# Altium PCB H204_without WiFi.PcbDoc (part 1 of 3)
Units mm, origin at the board's own origin, x right, y up, seen from the top; angles counter-clockwise.
Board outline 25 x 64 mm, 4 copper layers (Top Layer, Signal Layer 1, Signal Layer 2, Bottom Layer), stack 1.594 mm thick; 221 components, 142 nets, 826 pads, 353 vias.
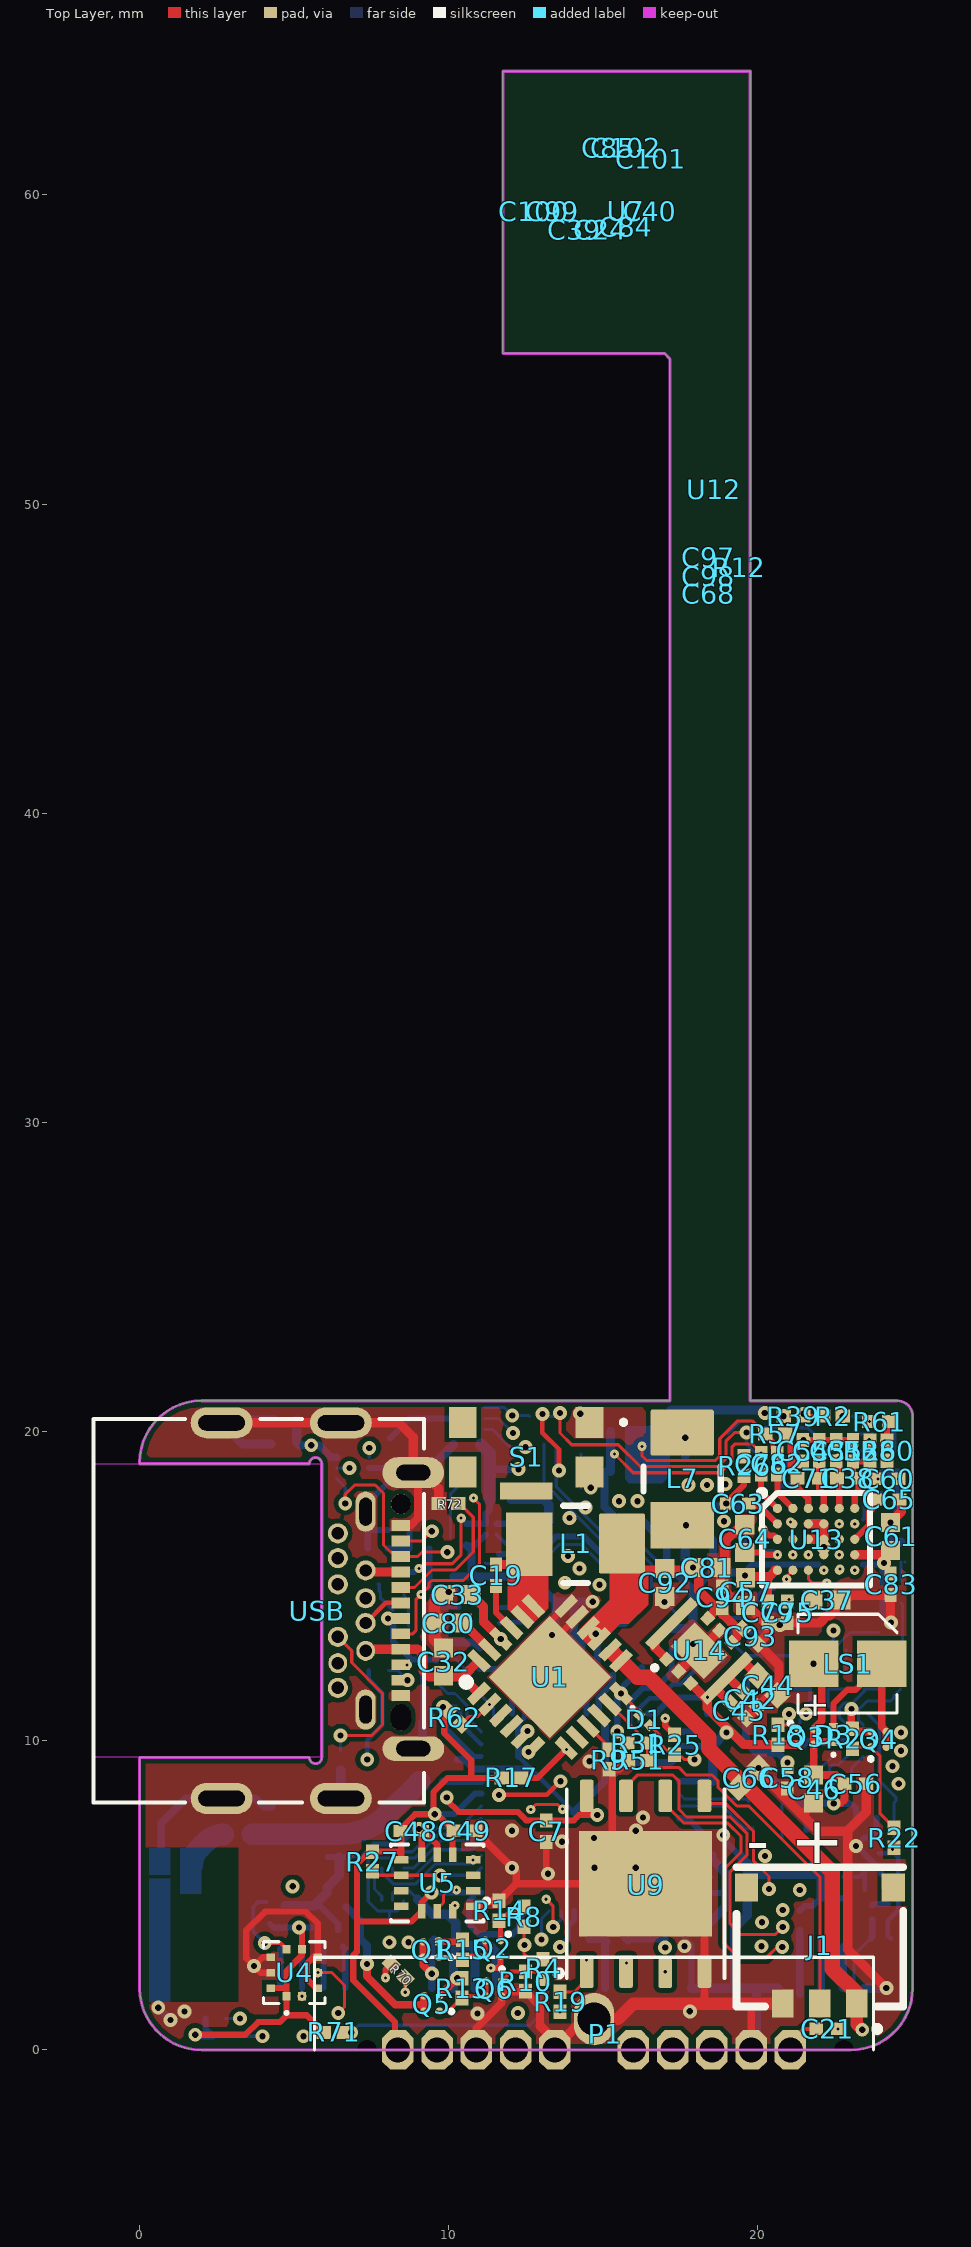
[diagram p0: Top Layer view]
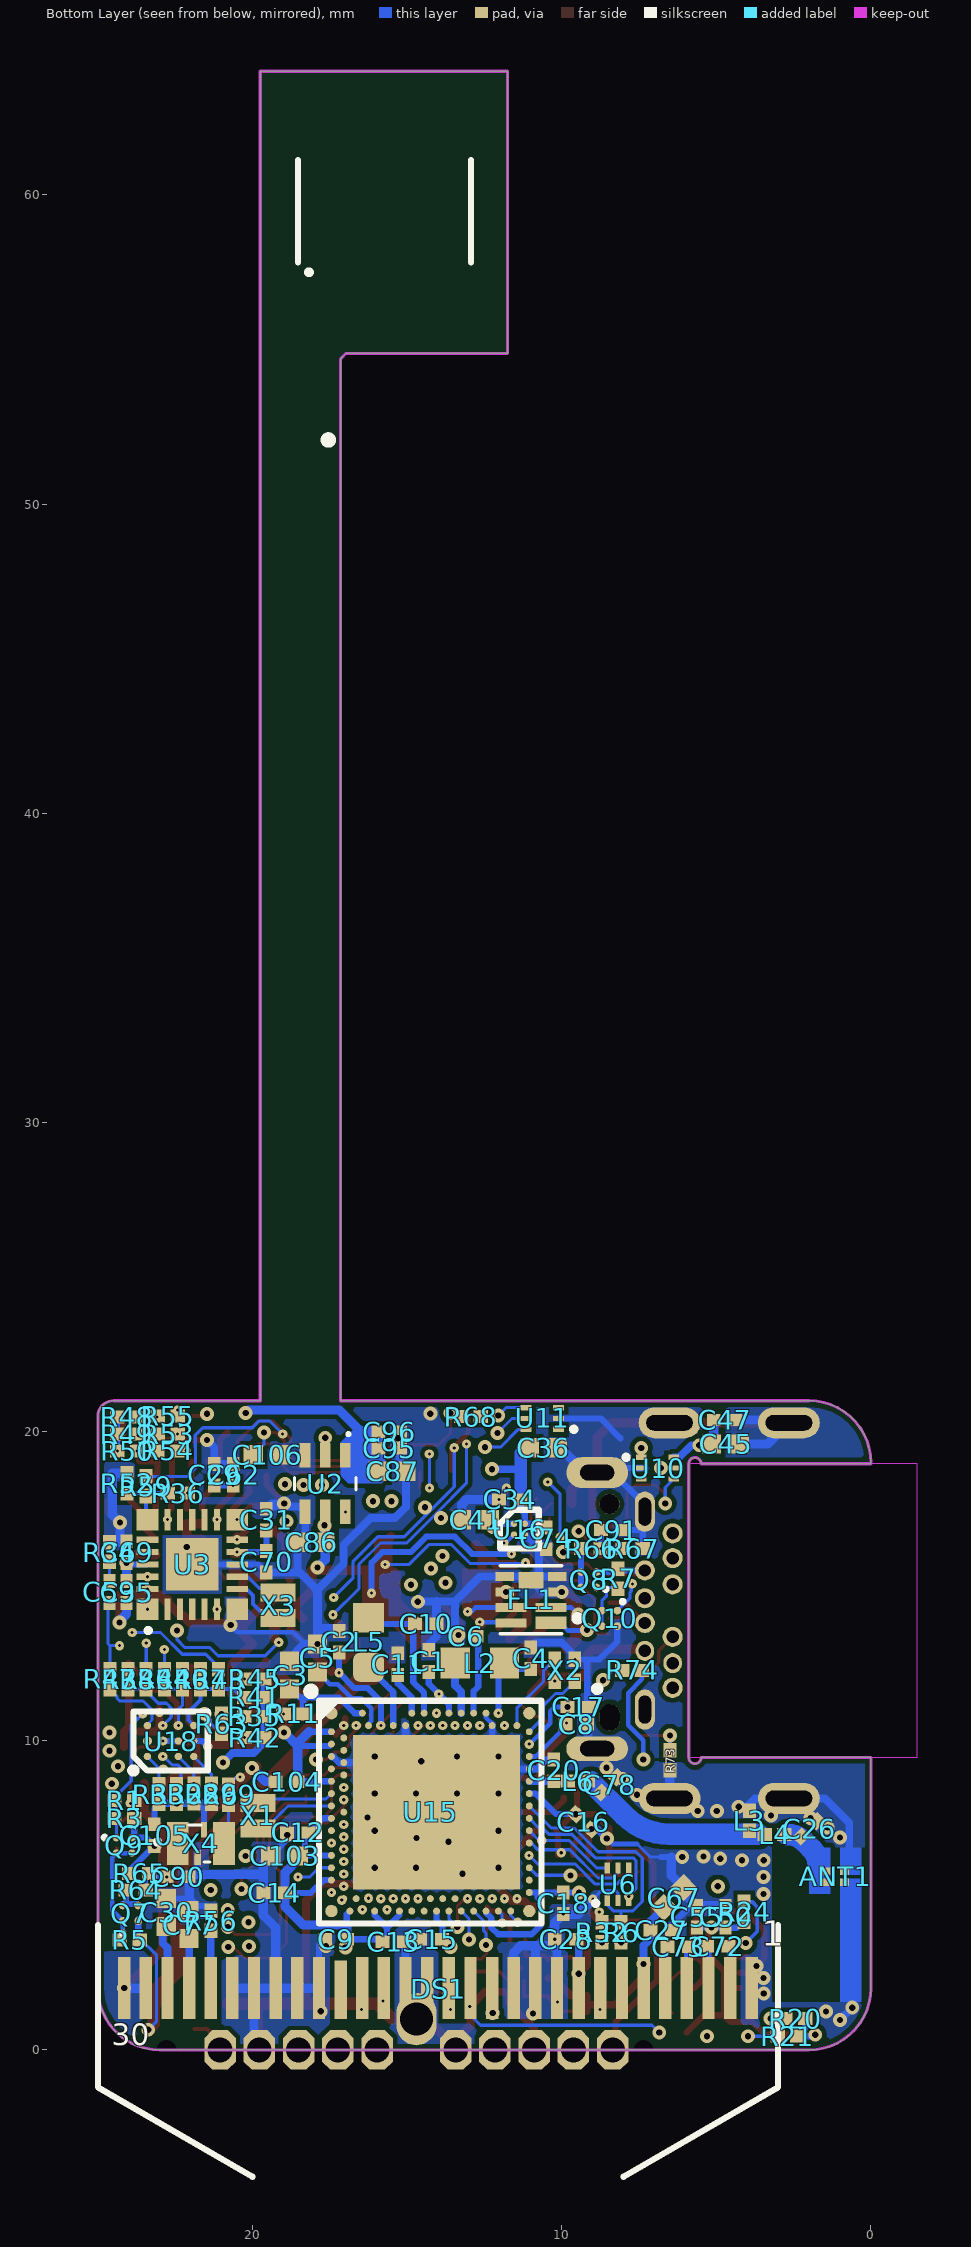
[diagram p1: Bottom Layer view, seen from below]
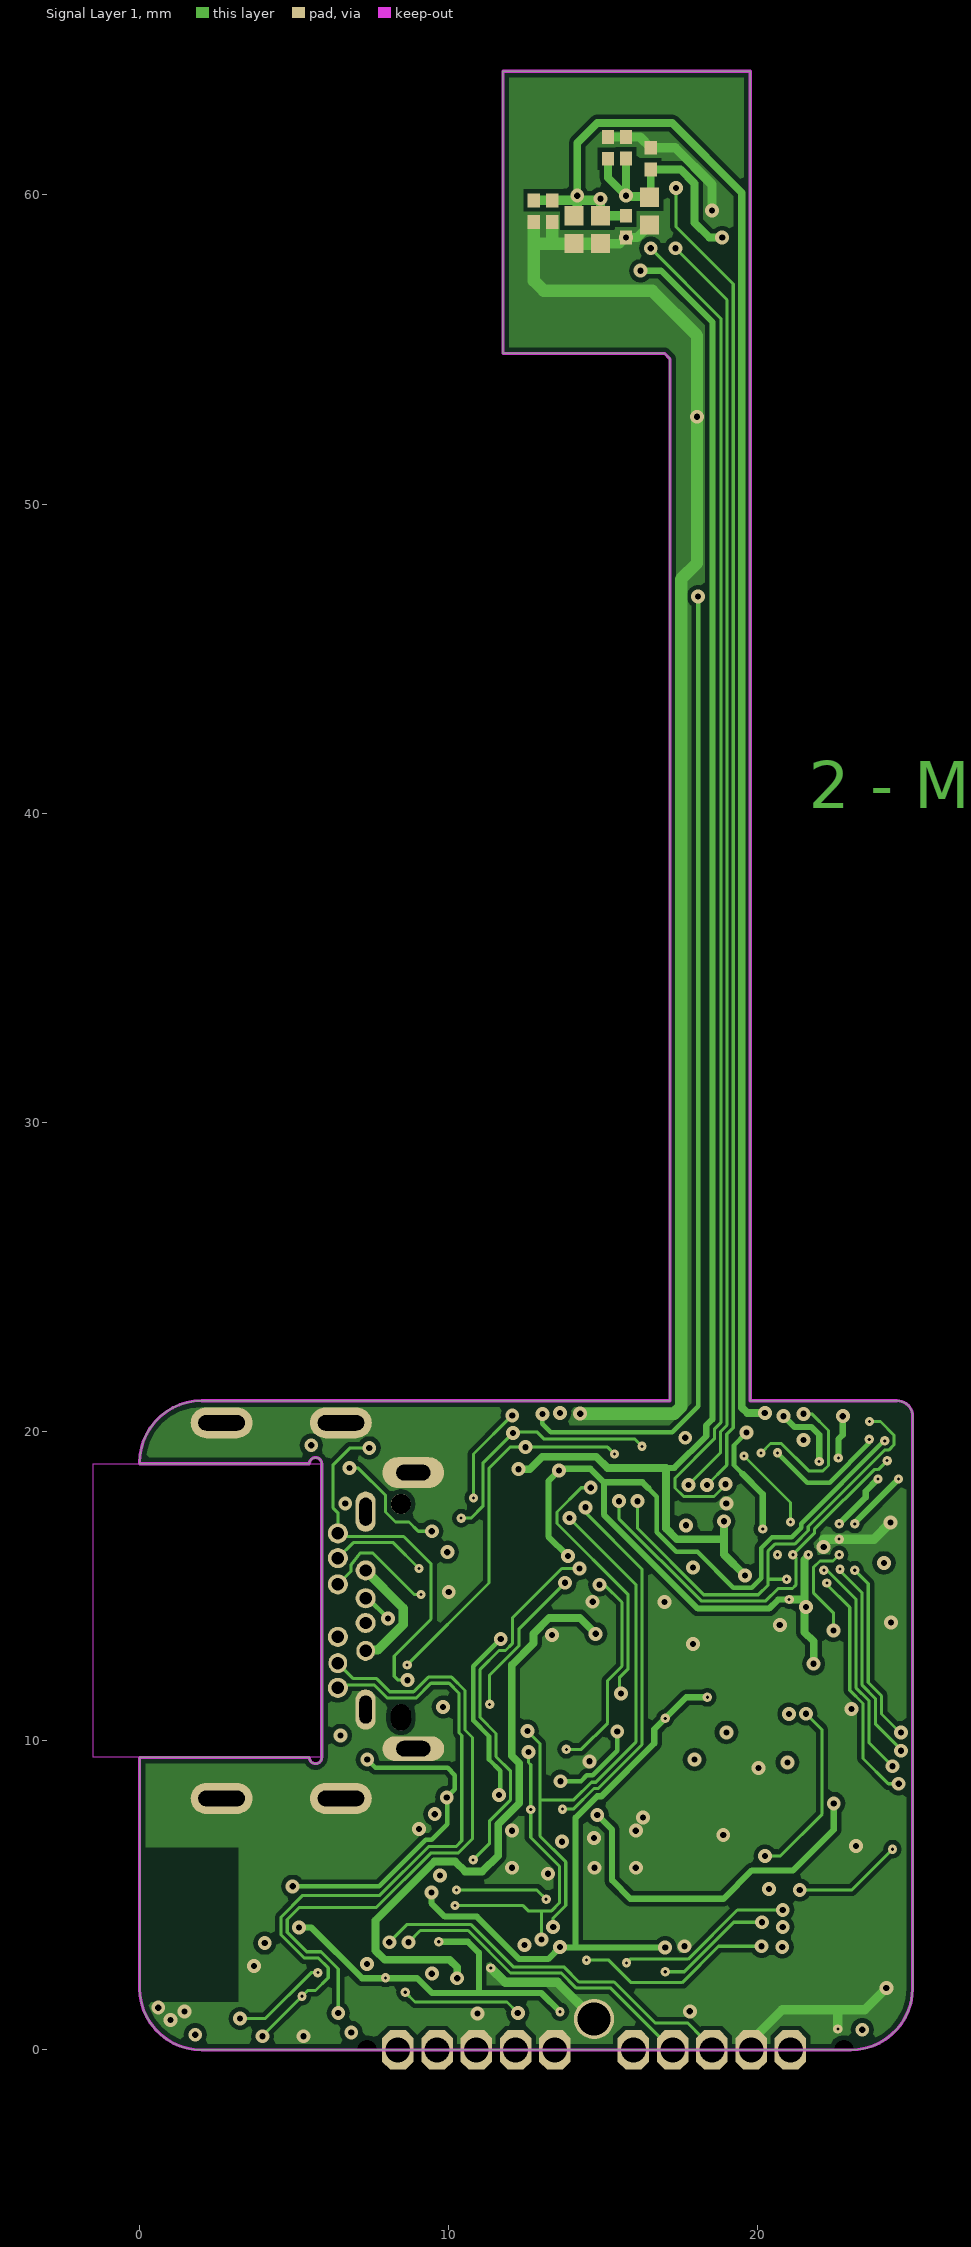
[diagram p2: Signal Layer 1]
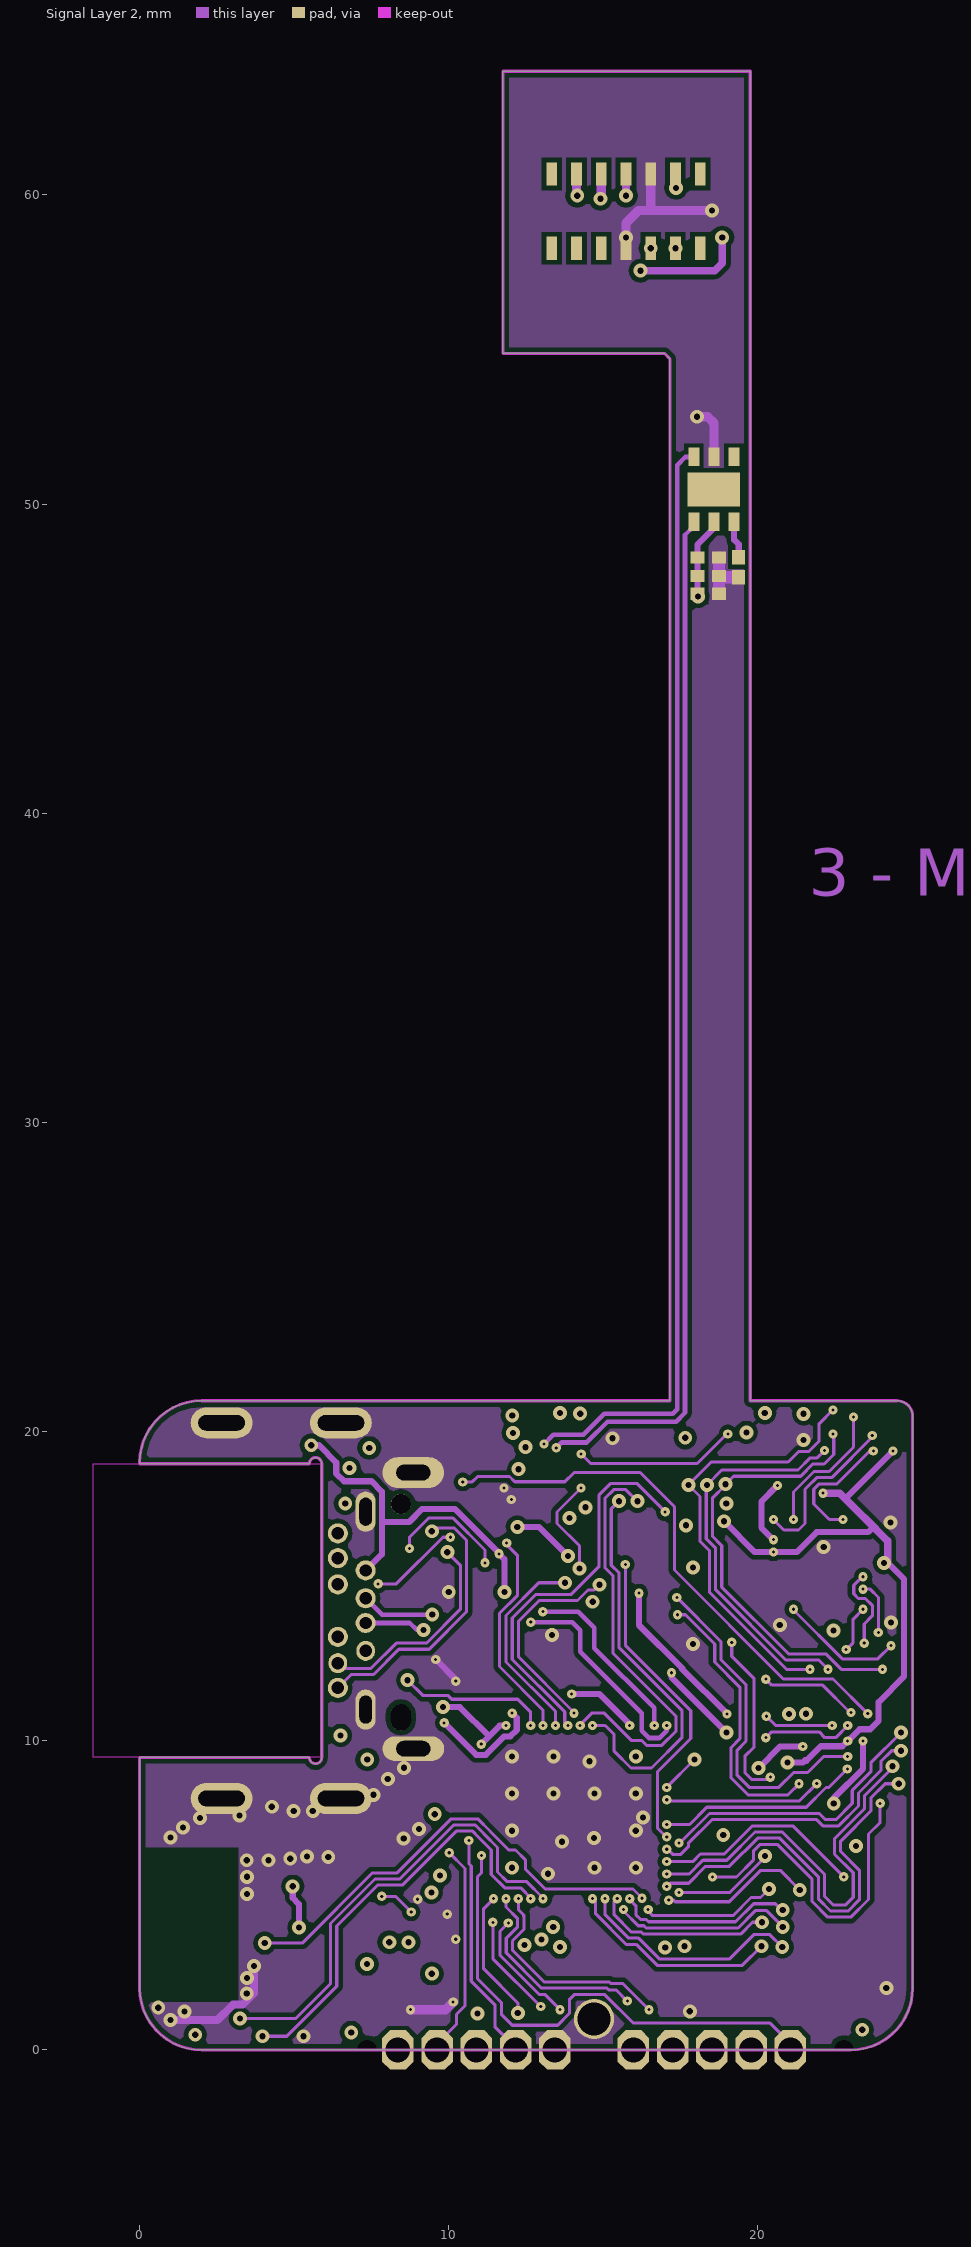
[diagram p3: Signal Layer 2]
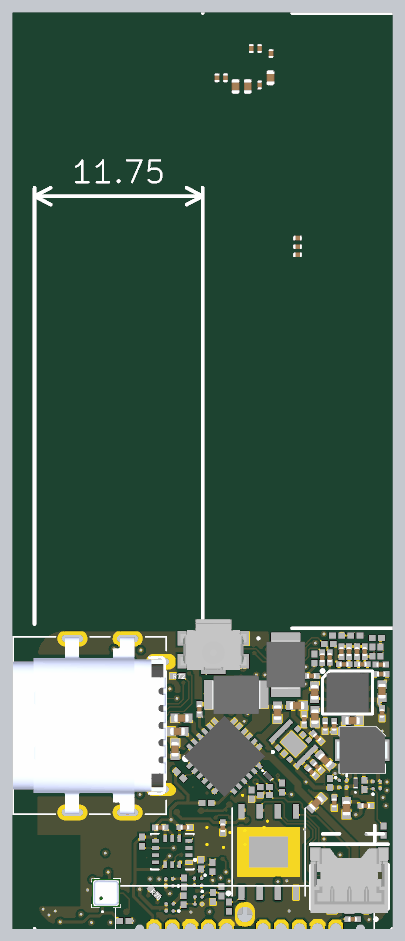
[diagram p6: 3D render of the assembled board from above, using the file's embedded part models]
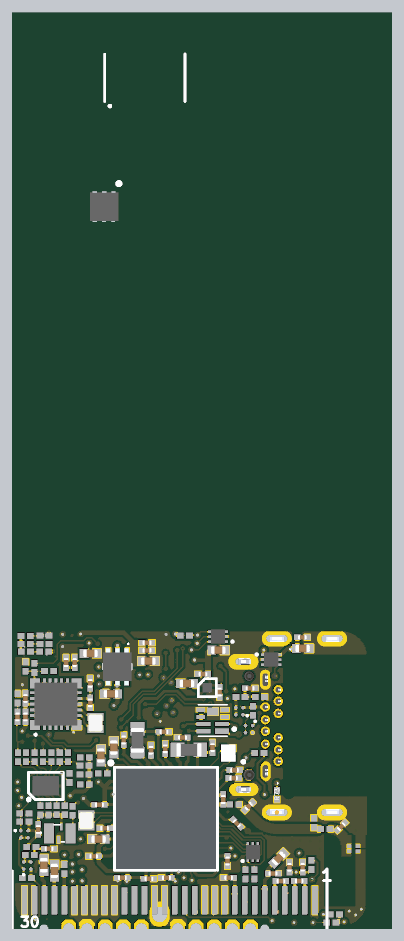
[diagram p7: 3D render of the assembled board from below, using the file's embedded part models]

## Layer stack, top to bottom
Top Solder: solder mask 0.02, Solder Resist, Dk 3.5
Top Layer: signal copper 0.035
FR4: core 0.68, Dk 4.6
Pure gum: core 0.012, Dk 4.6
Coverlay: core 0.0125, Dk 4.6
Adhesive: core 0.015, Dk 4.6
Signal Layer 1: signal copper 0.018
Adhesive: dielectric 0.012, Dk 3.4
Polyimide: dielectric 0.025, Dk 3.4
Adhesive: dielectric 0.012, Dk 3.4
Signal Layer 2: signal copper 0.018
Adhesive: core 0.015, Dk 4.6
Coverlay: core 0.012, Dk 4.6
Pure gum: core 0.012, Dk 4.6
FR4: core 0.68, Dk 4.6
Bottom Layer: signal copper 0.035
Bottom Solder: solder mask 0.02, Solder Resist, Dk 3.5

## Board outline
0,2 ccw(c2,2) 2,0 23,0 ccw(c23,2) 25,2 25,20.5 ccw(c24.5,20.5) 24.5,21 19.75,21 19.75,64 11.75,64 11.75,54.876 16.974,54.876 17.15,54.7 17.15,21 2,21 ccw(c2,19) 0,19 0,18.96 5.49,18.96 cw(c5.69,18.96) 5.89,18.96 5.89,9.46 cw(c5.69,9.46) 5.49,9.46 0,9.46
cut-out: 5.89,9.46 -1.5,9.46 -1.5,18.96 5.89,18.96
board region "Layer Stack Region 1": 17.15,21 17.15,54.7 16.974,54.876 11.75,54.876 11.75,64 19.75,64 19.75,21
board region "Layer Stack Region 1": 24.599,21 24.783,20.924 24.924,20.783 25,20.599 25,20.5 25,2 25,1.803 24.923,1.417 24.772,1.053 24.554,0.725 24.275,0.446 23.947,0.228 23.583,0.077 23.197,0 23,0 2,0 1.803,0 1.417,0.077 1.053,0.228 0.725,0.446 0.446,0.725 0.228,1.053 0.077,1.417 0,1.803 0,2 0,9.46 5.49,9.46 5.494,9.421 5.524,9.349 5.579,9.294 5.651,9.264 5.729,9.264 5.801,9.294 5.856,9.349 5.886,9.421 5.89,9.46 5.89,18.96 5.886,18.999 5.856,19.071 5.801,19.126 5.729,19.156 5.651,19.156 5.579,19.126 5.524,19.071 5.494,18.999 5.49,18.96 0,18.96 0,19 0,19.197 0.077,19.583 0.228,19.947 0.446,20.275 0.725,20.554 1.053,20.772 1.417,20.923 1.803,21

## Design rules (kind name [scope] priority, off if disabled: settings)
Clearance Clearance_Keep [IsPad vs OnLayer('Keep-Out Layer')] p1: gap=0 ignorepadtopadclearanceinfootprint=FALSE
Clearance [All] p2: gap=0.1 ignorepadtopadclearanceinfootprint=FALSE except(0.15: Arc-Poly Track-Poly SMDPad-Poly THPad-Poly Via-Poly Fill-Poly Poly-Poly Poly-Region)
ComponentClearance [All] p1 off: gap=0.254 collisioncheckmode=3 verticalgap=0.254 showdistances=FALSE
DiffPairsRouting [All] p1: maxlimit=0.254 minlimit=0.254 mostfreqgap=0.254 toplayer_minwidth=0.15 toplayer_maxwidth=0.381 toplayer_prefwidth=0.381 midlayer1_minwidth=0.15 midlayer1_maxwidth=0.381 midlayer1_prefwidth=0.381 midlayer2_minwidth=0.15 midlayer2_maxwidth=0.381 midlayer2_prefwidth=0.381 bottomlayer_minwidth=0.15 bottomlayer_maxwidth=0.381 bottomlayer_prefwidth=0.381 maxuncoupledlength=12.7
Height [All] p1 off: minheight=0 maxheight=25.4 prefheight=12.7
HoleSize [All] p1: absolutevalues=TRUE maxlimit=5 minlimit=0.1 maxpercent=80.000 minpercent=20.000
HoleToHoleClearance [All] p1 off: gap=0.254 allowstackedmicrovias=TRUE
MinimumSolderMaskSliver [All] p1 off: minsoldermaskwidth=0.051
PasteMaskExpansion [All] p1 off: expansion=0
PlaneClearance [All] p1: clearance=0.3
PlaneConnect [All] p1: planeconnectstyle=Direct reliefexpansion=0.5 reliefentries=4 reliefconductorwidth=0.5 reliefairgap=0.5
PolygonConnect [All] p1: connectstyle=Direct reliefconductorwidth=0.4 reliefentries=4 polygonreliefangle="90 Angle" airgapwidth=0.3
RoutingVias [All] p1: holewidth=0.5 width=1 viastyle="Through Hole" minholewidth=0.1 minwidth=0.3 maxholewidth=0.5 maxwidth=1
SilkToBoardRegionClearance [All] p1 off:
SilkToSilkClearance [All] p1 off: silktosilkclearance=0.254
SilkToSolderMaskClearance SilkToViaClearance [IsVia] p1 off: minsilkscreentomaskgap=0.05 clearancetoexposedcopper=TRUE
SilkToSolderMaskClearance SilkscreenOverComponentPads [IsPad] p2 off: minsilkscreentomaskgap=0.051 clearancetoexposedcopper=TRUE
SolderMaskExpansion [All] p1: expansion=0.05
Width [All] p1: maxlimit=1.2 minlimit=0.1 preferedwidth=0.254
18 further rules are at their usual default settings.

## Classes and differential pairs
component class H204_R_Sensors: C24 C29 C31 C35 C37 C38 C39 C40 C48 C49 C50 C51 C52 C53 C54 C55 C56 C57 C58 C59 C60 C61 C62 C63 C64 C65 C68 C69 C70 C71 C75 C76 C79 C82 C83 C84 C85 C97 C98 C99 C100 C101 C102 C105 C106 D3 LS1 Q4 R2 R12 R22 R23 R24 R26 R27 R28 R29 R30 R33 R34 R35 R36 R37 R38 R39 R40 R41 R42 R43 R44 R45 R46 R47 R48 R49 R50 R52 R53 R54 R55 R57 R58 R59 R60 R61 R68 R69 U3 U4 U5 U7 U11 U12 U13 U18 U? X3 X4
component class H204_R_MCUs: ANT1 C1 C2 C3 C4 C5 C6 C7 C8 C9 C10 C11 C12 C13 C14 C15 C16 C17 C18 C20 C21 C26 C27 C28 C30 C67 C72 C73 C77 C78 C90 C91 C103 C104 D1 DS1 L2 L3 L4 L5 L6 P1 Q1 Q2 Q5 Q6 Q7 Q8 Q9 Q10 R1 R3 R4 R5 R6 R7 R8 R10 R11 R13 R14 R15 R19 R25 R32 R56 R64 R65 R66 R67 R70 R71 S1 U6 U9 U15 X1 X2
component class H204_R_Power: C19 C32 C33 C34 C36 C41 C42 C43 C44 C45 C46 C47 C66 C74 C80 C81 C86 C87 C92 C93 C94 C95 C96 FL1 IC1 J1 L1 L7 Q3 R9 R17 R18 R20 R21 R31 R51 R62 R63 R72 R73 R74 U1 U2 U10 U14 U16 USB
differential pair USB: +USB_P -USB_N
differential pair D: +D_P -D_N

## Components (designator, comment, footprint, x,y, rotation, side; value= is the part's Value field where it differs from the comment)
ANT1 "2450AT07A0100" 2450AT07A0100 1.15,5.601 r270 bottom
C1 "1uF" CAPC0603X33N#1 14.3,12.58 r90 bottom
C2 "1uF" CAPC0603X33N#1 17.2,13.2 r90 bottom
C3 "4.7uF" CAPC1005X55N#1 18.801,12.124 r90 bottom
C4 "1uF" CAPC0603X33N#1 10.998,12.667 r90 bottom
C5 "4.7uF" CAPC1005X55N#1 17.9,12.68 r90 bottom
C6 "0.1uF" CAPC0603X33N#1 13.1,13.38 r0 bottom
C7 "0.1uF" CAPC0603X33N#1 13.15,7.076 r270 top
C8 "2.2nF" CAPC0603X33N#1 9.525,10.539 r180 bottom
C9 "0.1uF" CAPC0603X33N#1 17.3,3.58 r0 bottom
C10 "1uF" CAPC0603X33N#1 14.4,13.78 r180 bottom
C11 "1uF" CAPC0603X33N#1 15.3,12.48 r90 bottom
C12 "0.1uF" CAPC0603X33N#1 18.54,7.035 r0 bottom
C13 "0.1uF" CAPC0603X33N#1 15.45,3.505 r180 bottom
C14 "0.1uF" CAPC0603X33N#1 19.3,5.08 r0 bottom
C15 "0.1uF" CAPC0603X33N#1 14.223,3.58 r0 bottom
C16 "0.1uF" CAPC0603X33N#1 9.3,7.38 r225 bottom
C17 "0.1uF" CAPC0603X33N#1 9.463,11.095 r180 bottom
C18 "0.1uF" CAPC0603X33N#1 9.95,4.742 r270 bottom
C19 "47nF" CAPC0603X33N#1 11.525,15.355 r270 top
C20 "0.7pF" CAPC0603X33N#1 10.258,9.042 r270 bottom
C21 "1uF" CAPC0603X33N#1 22.233,0.68 r0 top
C24 "10uF" CAPC1005X55N#2 14.905,58.876 r270 top
C26 "N.C." CAPC0603X33N#1 2,7.15 r315 bottom
C27 "1uF" CAPC0603X33N#1 6.775,3.875 r0 bottom
C28 "1uF" CAPC0603X33N#1 9.875,3.58 r0 bottom
C29 "1uF" CAPC0603X33N#1 21.238,18.607 r90 bottom
C30 "4.7uF" CAPC1005X55N#1 22.79,4.447 r90 bottom
C31 "1uF" CAPC0603X33N#1 19.55,17.155 r90 bottom
C32 "22uF" CAPC1005X55N#1 9.825,12.555 r90 top
C33 "4.7uF" CAPC1005X55N#1 10.275,14.73 r180 top
C34 "1nF" CAPC0603X33N#1 11.673,17.805 r0 bottom
C35 "1uF" CAPC0603X33N#1 24.074,14.812 r270 bottom
C36 "4.7uF" CAPC1005X55N#1 10.594,19.476 r180 bottom
C37 "10uF" CAPC1005X55N#1 22.227,14.552 r0 top
C38 "47pF" CAPC0603X33N#1 22.908,18.492 r180 top
C39 "10uF" CAPC1005X55N#2 14.05,58.876 r270 top
C40 "10uF" CAPC1005X55N#2 16.493,59.476 r270 top
C41 "4.7uF" CAPC1005X55N#1 12.785,17.151 r0 bottom
C42 "1nF" CAPC0603X33N#1 19.75,11.342 r135 top
C43 "100pF" CAPC0603X33N#1 19.37,10.967 r315 top
C44 "22uF" CAPC1005X55N#1 20.31,11.79 r315 top
C45 "10uF" CAPC1005X55N#1 4.7,19.6 r180 bottom
C46 "22uF" CAPC1005X55N#1 21.8,8.44 r270 top
C47 "0.1uF" CAPC0603X33N#1 4.73,20.376 r180 bottom
C48 "0.1uF" CAPC0603X33N#1 8.784,7.08 r0 top
C49 "0.1uF" CAPC0603X33N#1 10.507,7.092 r0 top
C50 "0.1uF" CAPC0603X33N#1 4.7,4.31 r90 bottom
C51 "10pF" CAPC0603X33N#1 22.536,19.38 r270 top
C52 "10pF" CAPC0603X33N#1 23.073,19.38 r90 top
C53 "10pF" CAPC0603X33N#1 21.978,19.38 r270 top
C54 "10pF" CAPC0603X33N#1 21.448,19.38 r90 top
C55 "0.1uF" CAPC0603X33N#1 5.625,4.305 r90 bottom
C56 "0.1uF" CAPC0603X33N#1 23.15,8.612 r0 top
C57 "10uF" CAPC1005X55N#1 19.6,14.825 r270 top
C58 "0.1uF" CAPC0603X33N#1 20.95,8.801 r270 top
C59 "0.1uF" CAPC0603X33N#1 24.627,14.813 r90 bottom
C60 "1uF" CAPC0603X33N#1 24.197,18.47 r180 top
C61 "10uF" CAPC1005X55N#1 24.288,16.61 r90 top
C62 "0.1uF" CAPC0603X33N#1 20.628,18.607 r90 bottom
C63 "1uF" CAPC0603X33N#1 19.35,17.675 r180 top
C64 "15uF" CAPC1005X55N#1 19.574,16.535 r90 top
C65 "1nF" CAPC0603X33N#1 24.225,17.805 r0 top
C66 "22uF" CAPC1005X55N#1 19.703,8.801 r45 top
C67 "10uF" CAPC1005X55N#1 6.375,4.93 r315 bottom
C68 "0.1uF" CAPC0603X33N#2 18.389,47.1 r0 top
C69 "0.1uF" CAPC0603X33N#1 24.074,16.105 r90 bottom
C70 "0.1uF" CAPC0603X33N#1 19.55,15.792 r270 bottom
C71 "47pF" CAPC0603X33N#1 21.628,18.492 r0 top
C72 "1uF" CAPC0603X33N#1 4.947,3.348 r180 bottom
C73 "1uF" CAPC0603X33N#1 6.225,3.342 r0 bottom
C74 "100pF" CAPC0603X33N#1 10.504,16.546 r270 bottom
C75 "0.1uF" CAPC0603X33N#1 20.948,14.158 r270 top
C76 "47nF" CAPC0603X33N#1 20.1,18.96 r90 top
C77 "4.7uF" CAPC1005X55N#1 22.05,4.055 r90 bottom
C78 "N.C." CAPC0603X33N#1 8.467,8.574 r315 bottom
C79 "0.1uF" CAPC0603X33N#1 20.31,14.158 r270 top
C80 "10uF" CAPC1005X55N#1 9.988,13.805 r180 top
C81 "10uF" CAPC1005X55N#1 18.348,15.602 r0 top
C82 "47nF" CAPC0603X33N#1 20.628,18.965 r90 top
C83 "0.1uF" CAPC0603X33N#1 24.288,15.06 r270 top
C84 "0.1uF" CAPC0603X33N#3 15.73,58.976 r270 top
C85 "0.1uF" CAPC0603X33N#3 15.15,61.522 r90 top
C86 "10uF" CAPC1005X55N#1 18.103,16.424 r0 bottom
C87 "10uF" CAPC1005X55N#1 15.485,18.718 r180 bottom
C90 "0.1uF" CAPC0603X33N#1 22.423,5.6 r180 bottom
C91 "0.1uF" CAPC0603X33N#1 8.38,16.817 r180 bottom
C92 "10uF" CAPC1005X55N#1 16.981,15.117 r270 top
C93 "1nF" CAPC0603X33N#1 19.75,13.384 r315 top
C94 "100pF" CAPC0603X33N#1 18.842,14.642 r90 top
C95 "1nF" CAPC0603X33N#1 15.583,19.46 r180 bottom
C96 "100pF" CAPC0603X33N#1 15.583,19.992 r180 bottom
C97 "1nF" CAPC0603X33N#2 18.389,48.275 r180 top
C98 "100pF" CAPC0603X33N#2 18.389,47.675 r0 top
C99 "1nF" CAPC0603X33N#3 13.35,59.476 r90 top
C100 "100pF" CAPC0603X33N#3 12.75,59.476 r270 top
C101 "1nF" CAPC0603X33N#3 16.53,61.176 r270 top
C102 "100pF" CAPC0603X33N#3 15.73,61.526 r90 top
C103 "4.7uF" CAPC1005X55N#1 18.96,6.275 r0 bottom
C104 "0.1uF" CAPC0603X33N#1 18.9,8.68 r0 bottom
C105 "0.1uF" CAPC0603X33N#1 23.175,6.95 r270 bottom
C106 "10uF" CAPC1005X55N#1 19.525,19.25 r180 bottom
D1 "NSR01L30NXT5G" NSR01L30NXT5G 16.327,10.673 r225 top
D3 "NSR01L30NXT5G" NSR01L30NXT5G 22.44,10.2 r0 top
DS1 "QG-2864TMBEG01" QG-2864TMBEG01 14,2.3 r0 bottom locked
FL1 "EMI2121MTTAG" EMI2121MTTAG 10.689,14.562 r90 bottom
J1 "78171-0003" 78171-0003 22,1.5 r180 top
L1 "1uH / CBC3225T1R0MR" INDM3225X210N#1 14.1,16.353 r0 top
L2 "10µH" INDC1608X100N#1 12.648,12.51 r0 bottom
L3 "N.C." INDC0603X33N 3.928,7.413 r90 bottom
L4 "0R" INDC0603X33N 3.116,6.968 r180 bottom
L5 "10µH" INDC1608X100N#2 16.248,13.18 r270 bottom
L6 "2.2nH" INDC0603X33N 9.481,8.693 r0 bottom
L7 "2.2uH / CBC3225T2R2MR" INDM3225X210N#2 17.548,18.47 r90 top
LS1 "SMT-0340-T-R" SMT0340TR 22.9,12.492 r270 top
P1 "EC10-IDC-050" EC10-IDC-050 14.7,1 r180 top locked
Q1 "CSD23202W10" 4-UFBGA 9.423,3.249 r180 top
Q2 "CSD13201W10" CSD13201W10 11.423,3.292 r270 top
Q3 "CSD23202W10" 4-UFBGA 21.55,10.132 r0 top
Q4 "CSD13201W10" CSD13201W10 23.905,10.048 r90 top
Q5 "CSD23202W10" 4-UFBGA 9.45,1.5 r180 top
Q6 "CSD13201W10" CSD13201W10 11.464,1.98 r270 top
Q7 "CSD23202W10" 4-UFBGA 23.947,4.422 r90 bottom
Q8 "CSD23202W10" 4-UFBGA 9.123,15.21 r0 bottom
Q9 "CSD13201W10" CSD13201W10 24.15,6.617 r180 bottom
Q10 "CSD13201W10" CSD13201W10 8.45,13.96 r270 bottom
R1 "200R" RESC0603X26N#1 24.148,8.067 r0 bottom
R2 "200R" RESC0603X26N#1 22.423,20.5 r0 top
R3 "10k" RESC0603X26N#1 24.148,7.492 r0 bottom value=10K
R4 "200R" RESC0603X26N#1 13.05,2.618 r270 top
R5 "10k" RESC0603X26N#1 23.973,3.554 r180 bottom value=10K
R6 "0R" RESC0603X26N#1 8.075,3.805 r270 bottom
R7 "10k" RESC0603X26N#1 8.173,15.239 r90 bottom value=10K
R8 "200R" RESC0603X26N#1 12.425,4.312 r90 top
R9 "0R" RESC0603X26N#1 15.173,9.392 r90 top
R10 "10k" RESC0603X26N#1 12.475,2.216 r90 top value=10K
R11 "2R2" RESC0603X26N#1 18.678,10.867 r180 bottom
R12 "0R" RESC0603X26N#2 19.375,47.955 r90 top
R13 "10k" RESC0603X26N#1 10.425,2 r90 top value=10K
R14 "10k" RESC0603X26N#1 11.624,4.5 r270 top value=10K
R15 "10k" RESC0603X26N#1 10.442,3.242 r90 top value=10K
R17 "4.7k" RESC0603X26N#1 12.025,8.797 r180 top
R18 "10k" RESC0603X26N#1 20.65,10.193 r270 top value=10K
R19 "4.7k" RESC0603X26N#1 13.599,1.557 r90 top
R20 "4.7k" RESC0603X26N#1 2.448,1.017 r0 bottom
R21 "4.7k" RESC0603X26N#1 2.696,0.444 r0 bottom
R22 "200R" RESC0603X26N#1 24.4,6.867 r90 top
R23 "10k" RESC0603X26N#1 23.05,10.067 r90 top value=10K
R24 "4.7k" RESC0603X26N#1 4.098,4.466 r90 bottom
R25 "10k" RESC0603X26N#1 17.3,9.87 r270 top value=10K
R26 "324k" RESC0603X26N#1 19.55,18.89 r90 top
R27 "4.7k" RESC0603X26N#1 7.525,6.094 r270 top
R28 "4.7k" RESC0603X26N#1 21.9,8.292 r90 bottom
R29 "4.7k" RESC0603X26N#1 21.329,8.289 r90 bottom
R30 "4.7k" RESC0603X26N#1 22.464,8.276 r90 bottom
R31 "5.49k" RESC0603X26N#1 16.098,9.928 r0 top
R32 "0R" RESC0603X26N#1 8.7,3.805 r270 bottom
R33 "4.7k" RESC0603X26N#1 23.029,8.276 r90 bottom
R34 "10R" RESC0603X26N#1 24.627,16.105 r90 bottom
R35 "4.7k" RESC0603X26N#1 19.95,10.792 r0 bottom
R36 "N.C." RESC0603X26N#1 22.423,18.01 r0 bottom
R37 "N.C." RESC0603X26N#1 21.679,11.992 r270 bottom
R38 "N.C." RESC0603X26N#1 24.024,11.992 r270 bottom
R39 "200R" RESC0603X26N#1 21.148,20.5 r180 top
R40 "N.C." RESC0603X26N#1 22.265,11.992 r270 bottom
R41 "4.7k" RESC0603X26N#1 19.95,11.404 r0 bottom